# KiCad board MXKeyboard.kicad_pcb (continued)
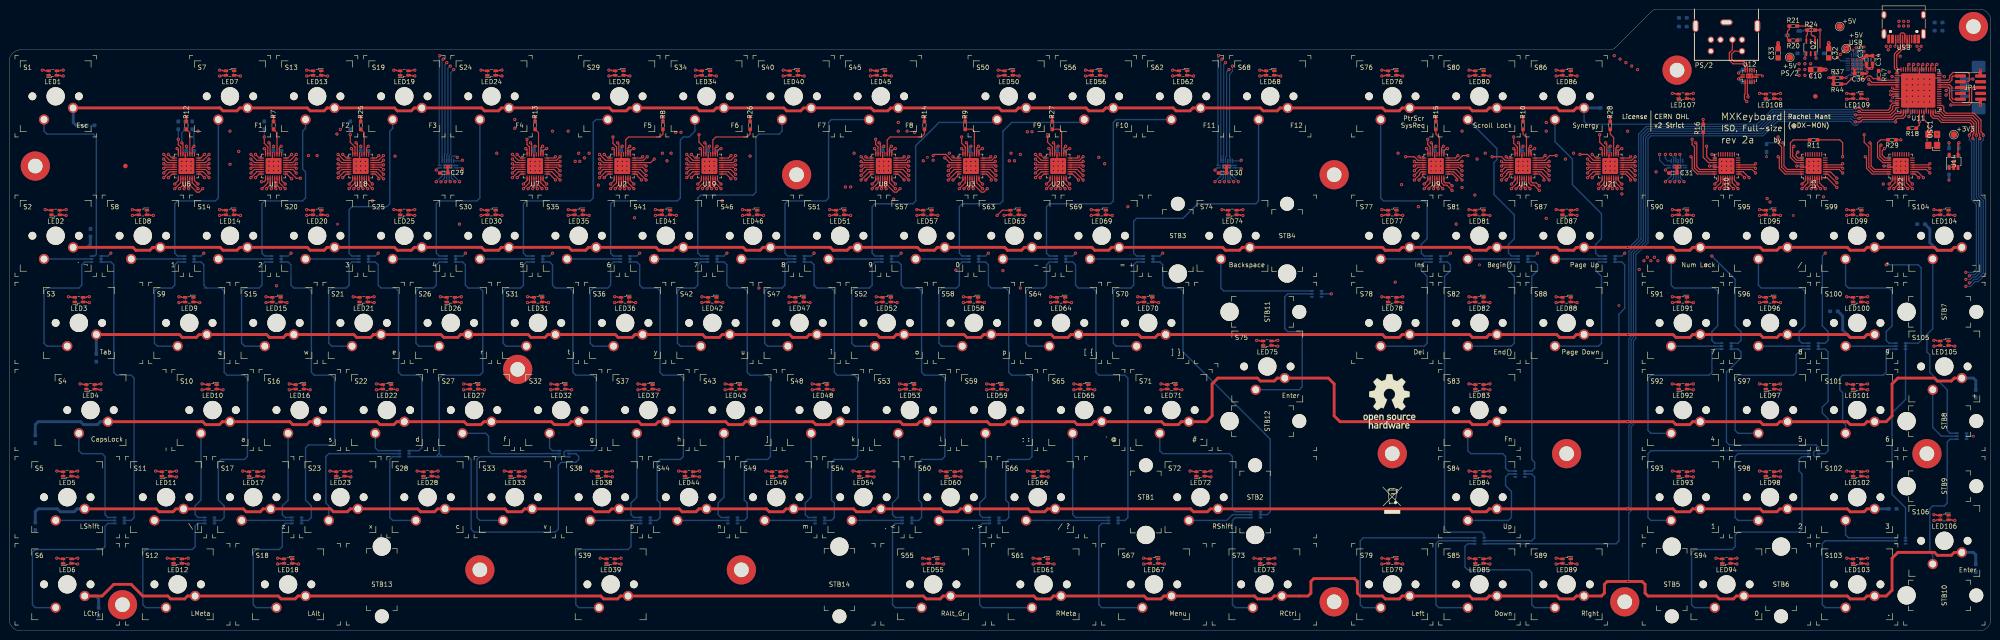
[diagram p0: board, top side]
## Nets (continued)
Net-(LED52-Pad2): LED52.2 U8.4
Net-(LED52-Pad3): LED52.3 U3.4
Net-(LED53-Pad2): LED53.2 U8.5
Net-(LED53-Pad3): LED53.3 U3.5
Net-(LED54-Pad2): LED54.2 U8.6
Net-(LED54-Pad3): LED54.3 U3.6
Net-(LED55-Pad2): LED55.2 U8.7
Net-(LED55-Pad3): LED55.3 U3.7
Net-(LED56-Pad2): LED56.2 U8.8
Net-(LED56-Pad3): LED56.3 U3.8
Net-(LED57-Pad2): LED57.2 U8.9
Net-(LED57-Pad3): LED57.3 U3.9
Net-(LED58-Pad2): LED58.2 U8.10
Net-(LED58-Pad3): LED58.3 U3.10
Net-(LED59-Pad2): LED59.2 U8.11
Net-(LED59-Pad3): LED59.3 U3.11
Net-(LED60-Pad2): LED60.2 U8.12
Net-(LED60-Pad3): LED60.3 U3.12
Net-(LED61-Pad2): LED61.2 U8.13
Net-(LED61-Pad3): LED61.3 U3.13
Net-(LED62-Pad2): LED62.2 U8.14
Net-(LED62-Pad3): LED62.3 U3.14
Net-(LED63-Pad2): LED63.2 U8.15
Net-(LED63-Pad3): LED63.3 U3.15
Net-(LED64-Pad2): LED64.2 U8.16
Net-(LED64-Pad3): LED64.3 U3.16
Net-(LED65-Pad2): LED65.2 U8.17
Net-(LED65-Pad3): LED65.3 U3.17
Net-(LED66-Pad2): LED66.2 U8.18
Net-(LED66-Pad3): LED66.3 U3.18
Net-(LED67-Pad2): LED67.2 U8.19
Net-(LED67-Pad3): LED67.3 U3.19
Net-(LED68-Pad2): LED68.2 U8.20
Net-(LED68-Pad3): LED68.3 U3.20
Net-(LED69-Pad2): LED69.2 U8.21
Net-(LED69-Pad3): LED69.3 U3.21
Net-(LED70-Pad2): LED70.2 U8.22
Net-(LED70-Pad3): LED70.3 U3.22
Net-(LED71-Pad2): LED71.2 U8.23
Net-(LED71-Pad3): LED71.3 U3.23
Net-(LED72-Pad2): LED72.2 U8.24
Net-(LED72-Pad3): LED72.3 U3.24
Net-(LED73-Pad2): LED73.2 U9.1
Net-(LED73-Pad3): LED73.3 U4.1
Net-(LED74-Pad2): LED74.2 U9.2
Net-(LED74-Pad3): LED74.3 U4.2
Net-(LED75-Pad2): LED75.2 U9.3
Net-(LED75-Pad3): LED75.3 U4.3
Net-(LED76-Pad2): LED76.2 U9.4
Net-(LED76-Pad3): LED76.3 U4.4
Net-(LED77-Pad2): LED77.2 U9.5
Net-(LED77-Pad3): LED77.3 U4.5
Net-(LED78-Pad2): LED78.2 U9.6
Net-(LED78-Pad3): LED78.3 U4.6
Net-(LED79-Pad2): LED79.2 U9.7
Net-(LED79-Pad3): LED79.3 U4.7
Net-(LED80-Pad2): LED80.2 U9.8
Net-(LED80-Pad3): LED80.3 U4.8
Net-(LED81-Pad2): LED81.2 U9.9
Net-(LED81-Pad3): LED81.3 U4.9
Net-(LED82-Pad2): LED82.2 U9.10
Net-(LED82-Pad3): LED82.3 U4.10
Net-(LED83-Pad2): LED83.2 U9.11
Net-(LED83-Pad3): LED83.3 U4.11
Net-(LED84-Pad2): LED84.2 U9.12
Net-(LED84-Pad3): LED84.3 U4.12
Net-(LED85-Pad2): LED85.2 U9.13
Net-(LED85-Pad3): LED85.3 U4.13
Net-(LED86-Pad2): LED86.2 U9.14
Net-(LED86-Pad3): LED86.3 U4.14
Net-(LED87-Pad2): LED87.2 U9.15
Net-(LED87-Pad3): LED87.3 U4.15
Net-(LED88-Pad2): LED88.2 U9.16
Net-(LED88-Pad3): LED88.3 U4.16
Net-(LED89-Pad2): LED89.2 U9.17
Net-(LED89-Pad3): LED89.3 U4.17
Net-(LED90-Pad2): LED90.2 U9.18
Net-(LED90-Pad3): LED90.3 U4.18
Net-(LED91-Pad2): LED91.2 U9.19
Net-(LED91-Pad3): LED91.3 U4.19
Net-(LED92-Pad2): LED92.2 U9.20
Net-(LED92-Pad3): LED92.3 U4.20
Net-(LED93-Pad2): LED93.2 U9.21
Net-(LED93-Pad3): LED93.3 U4.21
Net-(LED94-Pad2): LED94.2 U9.22
Net-(LED94-Pad3): LED94.3 U4.22
Net-(LED95-Pad2): LED95.2 U9.23
Net-(LED95-Pad3): LED95.3 U4.23
Net-(LED96-Pad2): LED96.2 U9.24
Net-(LED96-Pad3): LED96.3 U4.24
Net-(LED97-Pad2): LED97.2 U10.1
Net-(LED97-Pad3): LED97.3 U5.1
Net-(LED98-Pad2): LED98.2 U10.2
Net-(LED98-Pad3): LED98.3 U5.2
Net-(LED99-Pad2): LED99.2 U10.3
Net-(LED99-Pad3): LED99.3 U5.3
Net-(LED100-Pad2): LED100.2 U10.4
Net-(LED100-Pad3): LED100.3 U5.4
Net-(LED101-Pad2): LED101.2 U10.5
Net-(LED101-Pad3): LED101.3 U5.5
Net-(LED102-Pad2): LED102.2 U10.6
Net-(LED102-Pad3): LED102.3 U5.6
Net-(LED103-Pad2): LED103.2 U10.7
Net-(LED103-Pad3): LED103.3 U5.7
Net-(LED104-Pad2): LED104.2 U10.8
Net-(LED104-Pad3): LED104.3 U5.8
Net-(LED105-Pad2): LED105.2 U10.9
Net-(LED105-Pad3): LED105.3 U5.9
Net-(LED106-Pad2): LED106.2 U10.10
Net-(LED106-Pad3): LED106.3 U5.10
Net-(LED107-Pad2): LED107.2 U10.11
Net-(LED107-Pad3): LED107.3 U5.11
Net-(LED108-Pad2): LED108.2 U10.12
Net-(LED108-Pad3): LED108.3 U5.12
Net-(LED109-Pad2): LED109.2 U10.13
Net-(LED109-Pad3): LED109.3 U5.13
Net-(Q1-Pad1): Q1.1 R23.2
Net-(Q1-Pad3): Q1.3 R20.2 R21.2
Net-(Q2-Pad1): Q2.1 R21.1
Net-(Q2-Pad3): Q2.3 R24.1
Net-(R7-Pad1): R7.1 U1.27
Net-(R8-Pad1): R8.1 U2.27
Net-(R9-Pad1): R9.1 U3.27
Net-(R10-Pad1): R10.1 U4.27
Net-(R11-Pad1): R11.1 U5.27
Net-(R12-Pad1): R12.1 U6.27
Net-(R13-Pad1): R13.1 U7.27
Net-(R14-Pad1): R14.1 U8.27
Net-(R15-Pad1): R15.1 U9.27
Net-(R16-Pad1): R16.1 U10.27
Net-(R25-Pad1): R25.1 U18.27
Net-(R26-Pad1): R26.1 U19.27
Net-(R27-Pad1): R27.1 U20.27
Net-(R28-Pad1): R28.1 U21.27
Net-(R29-Pad1): R29.1 U22.27
Net-(R37-Pad1): R37.1 R46.1 U13.6
Net-(R44-Pad1): R44.1 R45.1 U13.5
Net-(S1-Pad2): D1.6 S1.2
Net-(S4-Pad2): D2.6 S4.2
Net-(S5-Pad2): D2.5 S5.2
Net-(S10-Pad2): D4.6 S10.2
Net-(S13-Pad2): D5.6 S13.2
Net-(S18-Pad2): D6.4 S18.2
Net-(S19-Pad2): D7.6 S19.2
Net-(S21-Pad2): D7.4 S21.2
Net-(S23-Pad2): D8.5 S23.2
Net-(S24-Pad2): D9.6 S24.2
Net-(S29-Pad2): D10.6 S29.2
Net-(S30-Pad2): D10.5 S30.2
Net-(S34-Pad2): D12.6 S34.2
Net-(S37-Pad2): D13.6 S37.2
Net-(S38-Pad2): D13.5 S38.2
Net-(S39-Pad2): D13.4 S39.2
Net-(S44-Pad2): D15.5 S44.2
Net-(S47-Pad2): D16.4 S47.2
Net-(S49-Pad2): D17.5 S49.2
Net-(S52-Pad2): D18.4 S52.2
Net-(S54-Pad2): D19.5 S54.2
Net-(S55-Pad2): D19.4 S55.2
Net-(S57-Pad2): D20.5 S57.2
Net-(S69-Pad2): D24.5 S69.2
Net-(S71-Pad2): D25.6 S71.2
Net-(S72-Pad2): D25.5 S72.2
Net-(S73-Pad2): D25.4 S73.2
Net-(S74-Pad2): D26.6 S74.2
Net-(S78-Pad2): D27.4 S78.2
Net-(S82-Pad2): D28.4 S82.2
Net-(S86-Pad2): D29.6 S86.2
Net-(S91-Pad2): D32.5 S91.2
Net-(S93-Pad2): D33.6 S93.2
Net-(S94-Pad2): D33.4 S94.2
Net-(S97-Pad2): D34.4 S97.2
Net-(U1-Pad32): U1.32 U2.25
Net-(U2-Pad32): U2.32 U3.25
Net-(U3-Pad32): U3.32 U4.25
Net-(U4-Pad32): U4.32 U5.25
Net-(U6-Pad32): U6.32 U7.25
Net-(U7-Pad32): U7.32 U8.25
Net-(U8-Pad32): U8.32 U9.25
Net-(U10-Pad25): U9.32 U10.25
Net-(U11-Pad37): U11.37 U12.3
Net-(U11-Pad38): U11.38 U11.39 U12.2
Net-(U18-Pad32): U18.32 U19.25
Net-(U19-Pad32): U19.32 U20.25
Net-(U20-Pad32): U20.32 U21.25
Net-(U21-Pad32): U21.32 U22.25

Pads without a net: JP1 7 8; OSC1 1; PS/2 2 6; U5 14 15 16 17 18 19 20 21 22 23 24; U10 14 15 16 17 18 19 20 21 22 23 24; U11 3 4 5 6 7 8 9 16 18 20 22 26 28 30 31 54 55 56 58; U12 4 5 6 9 10 11; U13 3 7 8 9 10 12 13 20 21; U17 7 9 10; U22 14 15 16 17 18 19 20 21 22 23 24; USB1 A8 B8

## Via types
v1: diameter 0.706, hole 0.3, Top to Bottom, 1152 vias
v2: diameter 0.6, hole 0.3, Top to Bottom, 41 vias
v3: diameter 0.71, hole 0.3, Top to Bottom, 2 vias

## Routing (per net, layer and track width the routed paths; a pad name or vN(x,y) marks a point on that pad's centre or on a via; arc(x,y) is an arc through that point)
+3V3: length 71
  Top w0.254: v2(383.16,121.29) 382.91,121.54 U12.8
  Top w0.3: v1(377.95,120.65) 378.34,121.04 U12.1
  Route6 w0.254: v2(383.16,121.29) 383.16,118.75
  Route6 w0.3: v1(377.95,120.65) 377.95,119.38 378.59,118.75 407.67,118.75
  Bottom w0.254: v1(415.16,112.4) 415.16,112.56 C6.1 ; v1(411.48,121.16) 411.77,121.16 C4.1 ; v1(417.19,123.83) 417.19,123.53 C3.1 ; v1(422.91,121.16) 422.62,121.16 C2.1 ; v1(97.92,103.51) 97.66,103.76 96.9,103.76 96.64,103.49 U15.6 ; C5.1 411.99,115.82 v2(411.23,115.82) ; R38.2 v2(384.05,103.63)
  Bottom w0.305: 264.31,101.22 264.03,101.22 v1(263.52,100.71) ; 362.74,101.22 362.46,101.22 v1(361.95,100.71) ; 94.14,101.22 93.85,101.22 v1(93.34,100.71)
  Bottom w0.508: C13.1 v1(423.93,106.68) ; v1(371.6,101.6) 372.66,101.6 C26.1 ; C9.1 378.71,119.89 v1(377.95,120.65) ; v1(409.7,101.6) 410.81,101.6 C28.1 ; v1(390.65,101.6) 391.76,101.6 C27.1 ; v1(429.13,120.62) J1.1
  Bottom w0.635: v1(229.23,105.92) 229.04,105.73 C22.1 ; v1(153.04,105.92) 152.82,105.7 C18.1 ; v1(210.19,105.92) 209.95,105.68 C21.1 ; C23.1 311.57,105.7 v1(311.78,105.92) ; v1(57.79,105.92) 57.79,104.93 C15.1 ; C25.1 349.67,105.7 v1(349.88,105.92) ; C20.1 190.92,105.7 v1(191.13,105.92) ; v1(38.73,105.92) 38.73,104.93 C14.1 ; v1(330.83,105.92) 330.62,105.7 C24.1 ; C19.1 133.77,105.7 v1(133.99,105.92) ; v1(114.93,105.92) 114.72,105.7 C17.1 ; C16.1 76.83,104.93 v1(76.83,105.92)
+5V: length 1.3
  Top w0.254: 52.7,33.66 52.67,33.69 52.59,33.69
  Bottom w0.508: C11.1 v1(423.93,98.55)
  vias: v1(391.16,123.95) v1(391.16,122.68) v1(391.16,121.41) v1(392.43,123.95) v1(392.43,122.68) v1(392.43,121.41) v1(393.7,123.95) v1(393.7,121.41) v2(200.66,103.51) v2(408.43,125.73)
/5V_PS2: length 2.4
  Bottom w0.406: v1(392.43,125.16) 392.43,126.15 R36.1
  Bottom w0.508: v1(377.95,121.92) 378.71,122.68 C8.1
/5V_USB: length 15.8
  Top w0.254: R24.2 v1(395.73,131.32) 395.73,127.38
  Route12 w0.508: v1(400.81,126.62) 401.45,125.98 404.69,125.98 v2(405.38,126.68)
  Bottom w0.254: v1(395.73,131.32) R24.2 ; U13.11 400.32,124.58 v1(399.54,125.35) ; U13.18 405.11,126.41 v2(405.38,126.68)
  Bottom w0.406: R22.1 v1(394.88,125.16)
  vias: v1(400.18,125.98) v1(401.45,127.25) v1(402.08,127.89) v1(413,133.22) v1(413,132.21) v1(414.02,133.22) v1(414.02,132.21) v1(415.04,133.22) v1(415.04,132.21)
GND: length 96.4
  Top w0.254: R29.2 v1(413.38,107.32) ; v1(400.69,103.63) 400.69,106.68 400.05,107.32 R11.2 ; R16.2 v1(370.2,111.76) ; U19.29 152.79,102.87 v1(153.04,102.62) ; R25.2 v1(76.83,112.4) ; v1(76.83,102.62) 76.58,102.87 U18.29 ; v1(349.88,102.62) 349.63,102.87 U21.29 ; R27.2 v1(227.96,112.4) ; R28.2 v1(349.88,112.4) ; R26.2 v1(161.93,112.4) ; v1(229.23,102.62) 228.98,102.87 U20.29 ; v1(421.26,108.59) 421.32,108.52 OSC1.2 ; R10.2 v1(330.83,112.4) ; R9.2 v1(208.91,112.4) ; R14.2 v1(200.02,112.4) ; R8.2 v1(142.88,112.4) ; R13.2 v1(114.93,112.4) ; R7.2 v1(57.79,112.4) ; R12.2 v1(38.73,112.4) ; R15.2 v1(311.78,112.4) ; v1(374.27,101.6) 374.02,101.35 U10.29 ; v1(311.78,102.62) 311.53,102.87 U9.29 ; v1(191.13,102.62) 190.88,102.87 U8.29 ; v1(114.93,102.62) 114.68,102.87 U7.29 ; v1(38.73,102.62) 38.48,102.87 U6.29 ; v1(210.19,102.62) 209.94,102.87 U3.29 ; v1(133.99,102.62) 133.74,102.87 U2.29 ; v1(393.32,101.6) 393.07,101.35 U5.29 ; v1(330.83,102.62) 330.58,102.87 U4.29 ; v1(57.79,102.62) 57.54,102.87 U1.29 ; U11.44 414.19,116.36 v1(414.69,116.86) ; U11.14 420,120.86 v1(419.69,120.56) ; U11.60 418.94,115.11 v1(418.44,115.61) ; U11.52 414.94,115.36 v1(414.69,115.61) ; U11.34 413.94,121.36 v1(414.69,120.61) ; v1(417.19,120.61) 417.44,120.86 U11.24
  Top w0.3: v1(412.37,101.6) 412.12,101.35 U22.29 ; U12.7 381,121.04 v2(380.75,121.29)
  Top w0.5: 424.94,101.12 v1(424.94,102.62)
  Top w0.508: v2(404.88,124.84) 405.73,125.69 C35.2 C34.2 ; 95.85,101.43 U15.EP v1(96.39,101.47) ; 95.85,101.43 95.81,101.47 v1(95.38,101.47) ; 95.85,101.43 C29.2 ; v2(397.64,120.9) R37.2 R44.2 ; v2(402.84,122.81) 403.1,122.81 403.26,122.64 C36.2
  Top w0.61: v1(430.78,114.94) 430.78,116.21 ; v1(430.78,122.56) 430.78,121.29
  Top w0.635: 266.03,101.43 U16.EP v1(266.57,101.47) ; 266.03,101.43 C30.2 ; 266.03,101.43 265.99,101.47 v1(265.56,101.47) ; U17.EP 364.45,101.43 C31.2 ; U17.EP v1(365,101.47) ; U17.EP v1(363.98,101.47)
  Top w0.813: C10.2 v1(397,122.68) ; C33.2 v1(386.59,128.52) ; C32.2 v1(397.64,128.52)
  Bottom w0.254: v1(365,101.47) 364.74,101.73 U17.5 ; v1(266.57,101.47) 266.31,101.73 U16.5 ; v2(404.88,122.81) 404.61,122.54 U13.2 U13.1 ; v2(404.88,124.84) 405.06,125.02 405.33,125.02 405.38,125.08 U13.19
  Bottom w0.3: v1(365,101.47) 365.25,101.72 U17.8 ; U15.EP v1(96.39,101.47) 96.64,101.72 U15.8 ; U16.EP v1(266.57,101.47) 266.82,101.72 U16.8 ; U13.22 405.13,123.58 v2(404.88,123.83)
  vias: v1(37.72,102.62) v1(37.72,101.6) v1(37.72,100.58) v1(38.73,101.6) v1(38.73,100.58) v1(39.75,102.62) v1(39.75,101.6) v1(39.75,100.58) v1(56.77,102.62) v1(56.77,101.6) v1(56.77,100.58) v1(57.79,101.6) v1(57.79,100.58) v1(58.8,102.62) v1(58.8,101.6) v1(58.8,100.58) v1(75.82,102.62) v1(75.82,101.6) v1(75.82,100.58) v1(76.83,101.6) v1(76.83,100.58) v1(77.85,102.62) v1(77.85,101.6) v1(77.85,100.58) v1(113.92,102.62) v1(113.92,101.6) v1(113.92,100.58) v1(114.93,101.6) v1(114.93,100.58) v1(115.95,102.62) v1(115.95,101.6) v1(115.95,100.58) v1(132.97,102.62) v1(132.97,101.6) v1(132.97,100.58) v1(133.99,101.6) v1(133.99,100.58) v1(135,102.62) v1(135,101.6) v1(135,100.58) v1(152.02,102.62) v1(152.02,101.6) v1(152.02,100.58) v1(153.04,101.6) v1(153.04,100.58) v1(154.05,102.62) v1(154.05,101.6) v1(154.05,100.58) v1(190.12,102.62) v1(190.12,101.6) v1(190.12,100.58) v1(191.13,101.6) v1(191.13,100.58) v1(192.15,102.62) v1(192.15,101.6) v1(192.15,100.58) v1(209.17,102.62) v1(209.17,101.6) v1(209.17,100.58) v1(210.19,101.6) v1(210.19,100.58) v1(211.2,102.62) v1(211.2,101.6) v1(211.2,100.58) v1(228.22,102.62) v1(228.22,101.6) v1(228.22,100.58) v1(229.23,101.6) v1(229.23,100.58) v1(230.25,102.62) v1(230.25,101.6) v1(230.25,100.58) v1(310.77,102.62) v1(310.77,101.6) v1(310.77,100.58) v1(311.78,101.6) v1(311.78,100.58) v1(312.8,102.62) v1(312.8,101.6) v1(312.8,100.58) v1(329.82,102.62) v1(329.82,101.6) v1(329.82,100.58) v1(330.83,101.6) v1(330.83,100.58) v1(331.85,102.62) v1(331.85,101.6) v1(331.85,100.58) v1(348.87,102.62) v1(348.87,101.6) v1(348.87,100.58) v1(349.88,101.6) v1(349.88,100.58) v1(350.9,102.62) v1(350.9,101.6) v1(350.9,100.58) v1(374.27,102.62) v1(374.27,100.58) v1(375.28,102.62) v1(375.28,101.6) v1(375.28,100.58) v1(376.3,102.62) v1(376.3,101.6) v1(376.3,100.58) v1(393.32,102.62) v1(393.32,100.58) v1(394.33,102.62) v1(394.33,101.6) v1(394.33,100.58) v1(395.35,102.62) v1(395.35,101.6) v1(395.35,100.58) v1(410.21,127.76) v1(410.65,127) v1(411.1,127.76) v1(412.37,102.62) v1(412.37,100.58) v1(413.38,102.62) v1(413.38,101.6) v1(413.38,100.58) v1(414.4,102.62) v1(414.4,101.6) v1(414.4,100.58) v1(414.69,119.36) v1(414.69,118.11) v1(415.94,120.61) v1(415.94,119.36) v1(415.94,118.11) v1(415.94,116.86) v1(415.94,115.61) v1(416.94,127.76) v1(417.14,119.36) v1(417.19,118.11) v1(417.19,116.86) v1(417.19,115.61) v1(417.39,127) v1(417.83,127.76) v1(418.44,120.61) v1(418.44,119.36) v1(418.44,118.11) v1(418.44,116.86) v1(419.69,119.36) v1(419.69,118.11) v1(419.69,116.86) v1(419.69,115.61) v2(71.76,88.9) v2(321.31,80.01) v2(379.98,121.29) v2(389.89,90.81) v2(402.84,124.84) v2(402.84,123.83) v2(403.86,124.84) v2(403.86,123.83) v2(403.86,122.81)
/Column decode/COLUMN1: length 158.6
  Route12 w0.305: v1(93.34,98.17) 92.96,97.79 80.52,97.79 79.88,98.43 73.66,98.43 73.02,97.79 61.47,97.79 60.33,98.93 54.74,98.93 53.59,97.79 42.55,97.79 41.91,98.43 35.56,98.43 34.92,97.79 25.4,97.79 22.22,94.62 v1(22.22,82.55)
  Bottom w0.254: v1(93.34,98.17) 94.64,99.46 U15.15
  Bottom w0.305: v1(22.22,82.55) 21.61,81.93 D1.1 D1.2 D1.3 22.24,80.63 22.86,80.01 22.86,56.52 23.49,55.88 26.67,55.88 27.3,55.25 27.3,24.77 26.67,24.13 D2.2 ; D2.2 D2.1 ; D2.2 D2.3
/Column decode/COLUMN2: length 150.8
  Route12 w0.305: v1(94.36,98.17) 94.36,97.16 93.73,96.52 80.64,96.52 79.88,95.76 73.79,95.76 73.02,96.52 61.59,96.52 60.83,95.76 54.74,95.76 53.98,96.52 43.81,96.52 41.27,93.98 41.27,85.09 42.55,83.82 v1(42.55,82.55)
  Bottom w0.254: v1(94.36,98.17) 95.14,98.95 U15.14 ; 42.55,74.93 46.36,74.93
  Bottom w0.305: D4.3 D4.2 ; D4.2 46.36,24.13 46.99,24.77 46.99,27.31 45.72,28.58 45.72,36.83 46.36,37.47 51.43,37.47 52.07,38.1 52.07,55.25 51.43,55.88 47.62,55.88 46.99,56.52 46.99,74.3 46.36,74.93 ; D4.2 D4.1 ; 43.18,74.93 42.55,75.57 42.55,80.01 41.92,80.63 D3.3 D3.2 D3.1 41.92,81.93 v1(42.55,82.55)
/Column decode/COLUMN3: length 131.4
  Route12 w0.305: v1(61.59,82.55) 61.59,83.82 60.33,85.09 60.33,93.98 62.1,95.76 72.64,95.76 73.41,95 80.26,95 81.03,95.76 94.11,95.76 95.38,97.03 v1(95.38,98.17)
  Bottom w0.254: v1(95.38,98.17) 95.64,98.43 U15.13 ; 60.98,81.93 v1(61.59,82.55) ; 61.59,77.47 61.59,80.01 60.98,80.63
  Bottom w0.305: D6.2 65.4,24.13 66.04,24.77 66.04,27.31 64.77,28.58 64.77,40.01 65.4,40.64 70.48,40.64 71.12,41.28 71.12,55.25 70.48,55.88 66.67,55.88 66.04,56.52 66.04,74.3 65.4,74.93 62.23,74.93 61.59,75.57 61.59,77.47 ; D6.2 D6.1 ; D6.2 D6.3 ; 60.98,80.63 D5.3 D5.2 D5.1 60.98,81.93
/Column decode/COLUMN4: length 91.6
  Route12 w0.305: v1(96.39,98.17) 96.39,94.62 95.76,93.98 81.28,93.98 79.37,92.08 79.37,85.09 80.64,83.82 v1(80.64,82.55)
  Bottom w0.254: v1(96.39,98.17) 96.14,98.43 U15.12
  Bottom w0.305: D8.2 D8.1 89.55,39.39 90.17,40.01 90.17,55.25 89.54,55.88 85.73,55.88 85.09,56.52 85.09,74.3 84.45,74.93 81.28,74.93 80.64,75.57 80.64,80.01 80.02,80.63 D7.3 D7.2 D7.1 80.02,81.93 v1(80.64,82.55)
/Column decode/COLUMN5: length 151.5
  Route12 w0.305: v1(97.41,98.17) 97.41,83.19 98.04,82.55 v1(99.7,82.55)
  Bottom w0.254: v1(97.41,98.17) 96.64,98.95 U15.11
  Bottom w0.305: D8.3 93.33,38.09 ; 93.33,38.09 94.6,38.09 ; 93.33,38.09 93.98,38.74 ; 99.7,82.48 99.15,81.93 D9.1 D9.2 D9.3 99.08,80.63 99.7,80.01 99.7,75.57 100.33,74.93 102.87,74.93 103.51,74.3 103.51,56.52 102.87,55.88 94.61,55.88 93.98,55.25 93.98,38.74 ; 93.98,38.74 94.6,38.12 94.6,38.09 ; 94.6,38.09 100.34,38.09 100.96,37.47 100.96,22.23 101.6,21.59 119.38,21.59 120.02,22.23 120.02,36.2 120.65,36.83 123.83,36.83 124.46,37.47 124.46,38.1 123.83,38.74 D11.2
/Column decode/COLUMN6: length 100.4
  Route12 w0.305: v1(118.74,82.55) 118.74,83.82 117.48,85.09 117.48,88.9 116.84,89.54 99.06,89.54 98.42,90.17 v1(98.42,98.17)
  Bottom w0.254: v1(98.42,98.17) 97.14,99.46 U15.10
  Bottom w0.305: D11.3 121.55,38.09 121.29,38.35 121.29,39.12 121.55,39.39 D11.1 127.65,39.39 128.27,40.01 128.27,55.25 127.64,55.88 123.83,55.88 123.19,56.52 123.19,74.3 122.55,74.93 119.38,74.93 118.74,75.57 118.74,80.01 118.12,80.63 D10.3 D10.2 D10.1 118.12,81.93 v1(118.74,82.55)
/Column decode/COLUMN7: length 141
  Route12 w0.254: 139.06,91.44 139.06,93.35
  Route12 w0.305: v1(137.8,82.55) 137.8,83.82 136.52,85.09 136.52,88.27 139.06,90.81 ; 139.06,90.81 139.06,93.35 138.43,93.98 131.06,93.98 129.79,95.25 119,95.25 118.36,94.62 111.51,94.62 110.87,95.25 103.51,95.25 102.87,95.89 102.87,100.33 102.23,100.97 v1(99.06,100.97) ; 139.06,90.81 139.06,91.44
  Bottom w0.254: v1(99.06,100.97) 98.8,101.22 U15.9
  Bottom w0.305: 137.14,81.93 D12.1 D12.2 D12.3 137.18,80.63 137.8,80.01 137.8,75.57 138.43,74.93 141.61,74.93 142.24,74.3 142.24,56.52 142.88,55.88 146.69,55.88 147.32,55.25 147.32,38.1 146.69,37.47 142.24,37.47 141.61,36.83 141.61,28.58 142.24,27.94 142.24,24.77 141.61,24.13 D13.2 ; D13.3 D13.2 ; D13.2 D13.1 ; 137.18,81.93 v1(137.8,82.55)
/Column decode/COLUMN8: length 161.4
  Route12 w0.305: v1(156.84,82.55) 156.84,83.82 155.57,85.09 155.57,87.63 156.84,88.9 156.84,97.79 156.21,98.43 150.11,98.43 148.21,96.52 137.54,96.52 136.91,95.89 131.06,95.89 130.43,96.52 118.49,96.52 117.86,95.89 112.01,95.89 111.38,96.52 105.41,96.52 104.77,97.16 104.77,102.24 104.14,102.87 v1(99.06,102.87)
  Bottom w0.254: v1(99.06,102.87) 98.91,102.72 U15.7
  Bottom w0.305: v1(156.84,82.55) 156.23,81.93 D14.1 D14.2 D14.3 156.23,80.63 156.84,80.01 156.84,75.57 157.48,74.93 160.65,74.93 161.29,74.3 161.29,56.52 161.93,55.88 165.74,55.88 166.37,55.25 166.37,38.1 165.74,37.47 161.29,37.47 160.65,36.83 160.65,28.58 161.29,27.94 161.29,24.77 160.65,24.13 D15.2 D15.1
/Column decode/COLUMN9: length 184.4
  Route12 w0.305: v1(175.89,82.55) 175.89,83.82 174.62,85.09 174.62,87.63 175.89,88.9 175.89,93.98 179.7,97.79 187.58,97.79 188.21,98.43 194.06,98.43 194.69,97.79 206.63,97.79 207.26,98.43 213.11,98.43 213.74,97.79 225.68,97.79 226.31,98.43 232.16,98.43 232.79,97.79 235.58,97.79 236.85,99.06 262.64,99.06 v1(263.52,98.17)
  Bottom w0.254: v1(263.52,98.17) 264.81,99.46 U16.15
  Bottom w0.305: v1(175.89,82.55) 175.27,81.93 D16.1 D16.2 D16.3 175.27,80.63 175.89,80.01 175.89,75.57 176.53,74.93 179.7,74.93 180.34,74.3 180.34,56.52 180.97,55.88 184.78,55.88 185.42,55.25 185.42,38.1 184.78,37.47 180.34,37.47 179.7,36.83 179.7,28.58 180.34,27.94 180.34,24.77 179.7,24.13 D17.2 D17.1
/Column decode/COLUMN10: length 167.5
  Route12 w0.305: v1(264.54,98.17) 264.54,97.16 263.91,96.52 262.89,96.52 261.62,97.79 237.49,97.79 236.22,96.52 232.79,96.52 232.16,95.89 226.31,95.89 225.68,96.52 214.76,96.52 214.12,95.89 207.26,95.89 206.63,96.52 196.85,96.52 194.94,94.62 194.94,88.9 193.67,87.63 193.67,85.09 194.94,83.82 v1(194.94,82.55)
  Bottom w0.254: v1(264.54,98.17) 265.31,98.95 U16.14
  Bottom w0.305: D19.2 198.75,24.13 199.39,24.77 199.39,27.94 198.75,28.58 198.75,36.83 199.39,37.47 203.83,37.47 204.47,38.1 204.47,55.25 203.83,55.88 200.02,55.88 199.39,56.52 199.39,74.3 198.75,74.93 195.58,74.93 194.94,75.57 194.94,80.01 194.32,80.63 D18.3 D18.2 D18.1 194.32,81.93 v1(194.94,82.55) ; D19.2 D19.1 ; D19.2 D19.3
/Column decode/COLUMN11: length 149.1
  Route12 w0.305: v1(214,82.55) 214,83.82 212.72,85.09 212.72,87.63 214,88.9 214,93.98 215.26,95.25 225.04,95.25 225.68,94.62 232.79,94.62 233.43,95.25 236.85,95.25 238.12,96.52 260.98,96.52 262.25,95.25 264.92,95.25 265.56,95.89 v1(265.56,98.17)
  Bottom w0.254: v1(265.56,98.17) 265.81,98.43 U16.13
  Bottom w0.305: D21.1 D21.2 ; D21.2 D21.3 ; D21.2 217.81,24.13 218.44,24.77 218.44,27.94 217.81,28.58 217.81,36.83 218.44,37.47 222.88,37.47 223.52,38.1 223.52,55.25 222.88,55.88 219.07,55.88 218.44,56.52 218.44,74.3 217.81,74.93 214.63,74.93 214,75.57 214,80.01 213.38,80.63 D20.3 D20.2 D20.1 213.38,81.93 v1(214,82.55)
/Column decode/COLUMN12: length 124
  Route12 w0.305: v1(266.57,98.17) 266.57,94.62 265.94,93.98 260.35,93.98 256.54,90.17 244.47,90.17 243.84,89.54 233.68,89.54 231.77,87.63 231.77,85.09 233.04,83.82 v1(233.04,82.55)
  Bottom w0.254: v1(266.57,98.17) 266.31,98.43 U16.12
  Bottom w0.305: D23.3 D23.2 ; D23.2 D23.1 ; D23.2 243.84,24.13 244.47,24.77 244.47,55.25 243.84,55.88 238.12,55.88 237.49,56.52 237.49,74.3 236.85,74.93 233.68,74.93 233.04,75.57 233.04,80.01 232.42,80.63 D22.3 D22.2 D22.1 232.42,81.93 v1(233.04,82.55)
/Column decode/COLUMN13: length 104
  Route12 w0.305: v1(252.09,82.55) 259.71,90.17 266.95,90.17 267.59,90.81 v1(267.59,98.17)
  Bottom w0.254: v1(267.59,98.17) 266.81,98.95 U16.11
  Bottom w0.305: v1(252.09,82.55) 251.47,81.93 D24.1 D24.2 D24.3 251.47,80.63 252.09,80.01 252.09,75.57 252.73,74.93 255.9,74.93 256.54,74.3 256.54,60.96 275.59,41.91 275.59,26.04 274.95,25.4 D25.2 ; D25.3 D25.2 ; D25.2 D25.1
/Column decode/COLUMN14: length 49.4
  Route12 w0.254: v1(288.92,73.66) 283.84,73.66
  Route12 w0.305: 283.84,73.66 283.21,74.3 283.21,97.54 282.57,98.17 v1(268.6,98.17)
  Bottom w0.254: v1(268.6,98.17) 267.31,99.46 U16.10
  Bottom w0.305: D26.1 D26.2 v1(288.92,73.66)
/Column decode/COLUMN15: length 138.1
  Route6 w0.305: v1(269.24,100.97) 281.31,100.97 281.94,100.33 281.94,94.62 282.57,93.98 313.06,93.98 313.69,93.35 313.69,85.73 314.96,84.46 v3(314.96,82.55)
  Bottom w0.254: v1(269.24,100.97) 268.98,101.22 U16.9
  Bottom w0.305: D31.1 322.36,21.05 321.82,21.59 314.32,21.59 313.69,22.23 313.69,77.47 314.96,78.74 314.96,80.01 314.34,80.63 D27.3 D27.2 D27.1 314.34,81.93 v3(314.96,82.55)
/Column decode/COLUMN16: length 205.1
  Route12 w0.254: 284.48,95.89 284.48,102.24
  Route12 w0.305: 284.48,75.57 284.48,95.89 ; 284.48,75.57 285.12,74.93 326.39,74.93 v3(334.01,82.55) ; 284.48,75.57 284.48,102.24 283.84,102.87 v1(269.24,102.87)
  Bottom w0.254: U16.7 269.09,102.72 v1(269.24,102.87)
  Bottom w0.305: v3(334.01,82.55) 333.39,81.93 D28.1 D28.2 D28.3 333.39,80.63 334.01,80.01 334.01,78.74 332.74,77.47 332.74,37.47 333.38,36.83 333.38,35.56 332.75,34.94 D30.1 D30.2 332.74,34.29 333.38,33.66 333.38,20.32 332.74,19.69 D31.2
/Column decode/COLUMN17: length 122.3
  Route12 w0.305: v1(353.06,82.55) 352.71,82.9 352.71,84.74 353.69,85.73 353.69,95.89 354.96,97.16 360.93,97.16 v1(361.95,98.17)
  Bottom w0.254: v1(361.95,98.17) 363.24,99.46 U17.15
  Bottom w0.305: v1(353.06,82.55) 352.44,81.93 D29.1 D29.2 D29.3 352.44,80.63 353.06,80.01 353.06,70.49 351.79,69.22 351.79,19.66 351.17,19.04 D31.3
/Column decode/COLUMN18: length 99.9
  Route12 w0.254: v1(372.11,81.92) 373.38,83.19 373.38,90.81 370.46,93.98 363.6,93.98 362.97,94.62 v1(362.97,98.17)
  Bottom w0.254: v1(362.97,98.17) 363.74,98.95 U17.14
  Bottom w0.305: D33.3 394.6,38.09 394.33,38.35 394.33,39.12 394.6,39.39 D33.1 395.38,40.1 394.84,40.64 375.92,40.64 375.28,41.28 375.28,56.52 378.46,59.69 378.46,60.96 377.82,61.6 376.35,61.6 D32.3 D32.2 D32.1 377.84,62.88 378.46,63.5 378.46,65.41 377.19,66.68 377.19,76.84 v1(372.11,81.92)
/Column decode/COLUMN19: length 100.3
  Route12 w0.254: v1(363.98,98.17) 363.98,95.89 364.62,95.25 371.09,95.25 371.73,94.62 379.09,94.62 379.73,95.25 386.71,95.25 387.98,93.98 395.6,93.98 396.24,93.35
  Route12 w0.305: v1(396.88,82.55) 396.24,83.19 396.24,93.35
  Bottom w0.254: v1(363.98,98.17) 364.24,98.43 U17.13
  Bottom w0.305: D33.2 396.88,38.74 397.51,39.37 397.51,46.36 396.24,47.63 396.24,48.9 397.51,50.17 397.51,60.96 396.88,61.6 395.4,61.6 D34.3 D34.2 D34.1 395.4,62.87 396.88,62.87 397.51,63.5 397.51,65.41 396.24,66.68 396.24,81.92 v1(396.88,82.55)
/Column decode/COLUMN20: length 140.1
  Route12 w0.254: v1(410.21,80.01) 411.48,81.28 411.48,94.87 409.83,96.52 400.18,96.52 399.54,95.89 391.41,95.89 390.78,96.52 378.84,96.52 378.21,95.89 372.36,95.89 371.73,96.52 365.63,96.52 365,97.16 v1(365,98.17)
  Bottom w0.254: v1(365,98.17) 364.74,98.43 U17.12
  Bottom w0.305: v1(410.21,80.01) 417.19,80.01 417.83,79.38 417.83,63.5 417.21,62.88 D35.1 D35.2 D35.3 414.44,50.58 411.48,47.63 411.48,29.85 414.44,26.89 D36.1 D36.2
/Column decode/COLUMN21: length 131.7
  Route12 w0.305: v2(429.26,42.55) 427.35,44.45 427.35,47.63 430.53,50.8 430.53,64.77 426.72,68.58 426.72,71.12 429.9,74.3 429.9,97.16 429.26,97.79 416.94,97.79 416.31,98.43 409.19,98.43 408.56,97.79 401.7,97.79 399.8,99.7 399.03,99.7 397.76,98.43 391.41,98.43 390.78,97.79 378.84,97.79 378.21,98.43 372.36,98.43 371.73,97.79 366.39,97.79 v1(366.01,98.17)